# Allegro board buddy_lay_rev1.brd (continued)
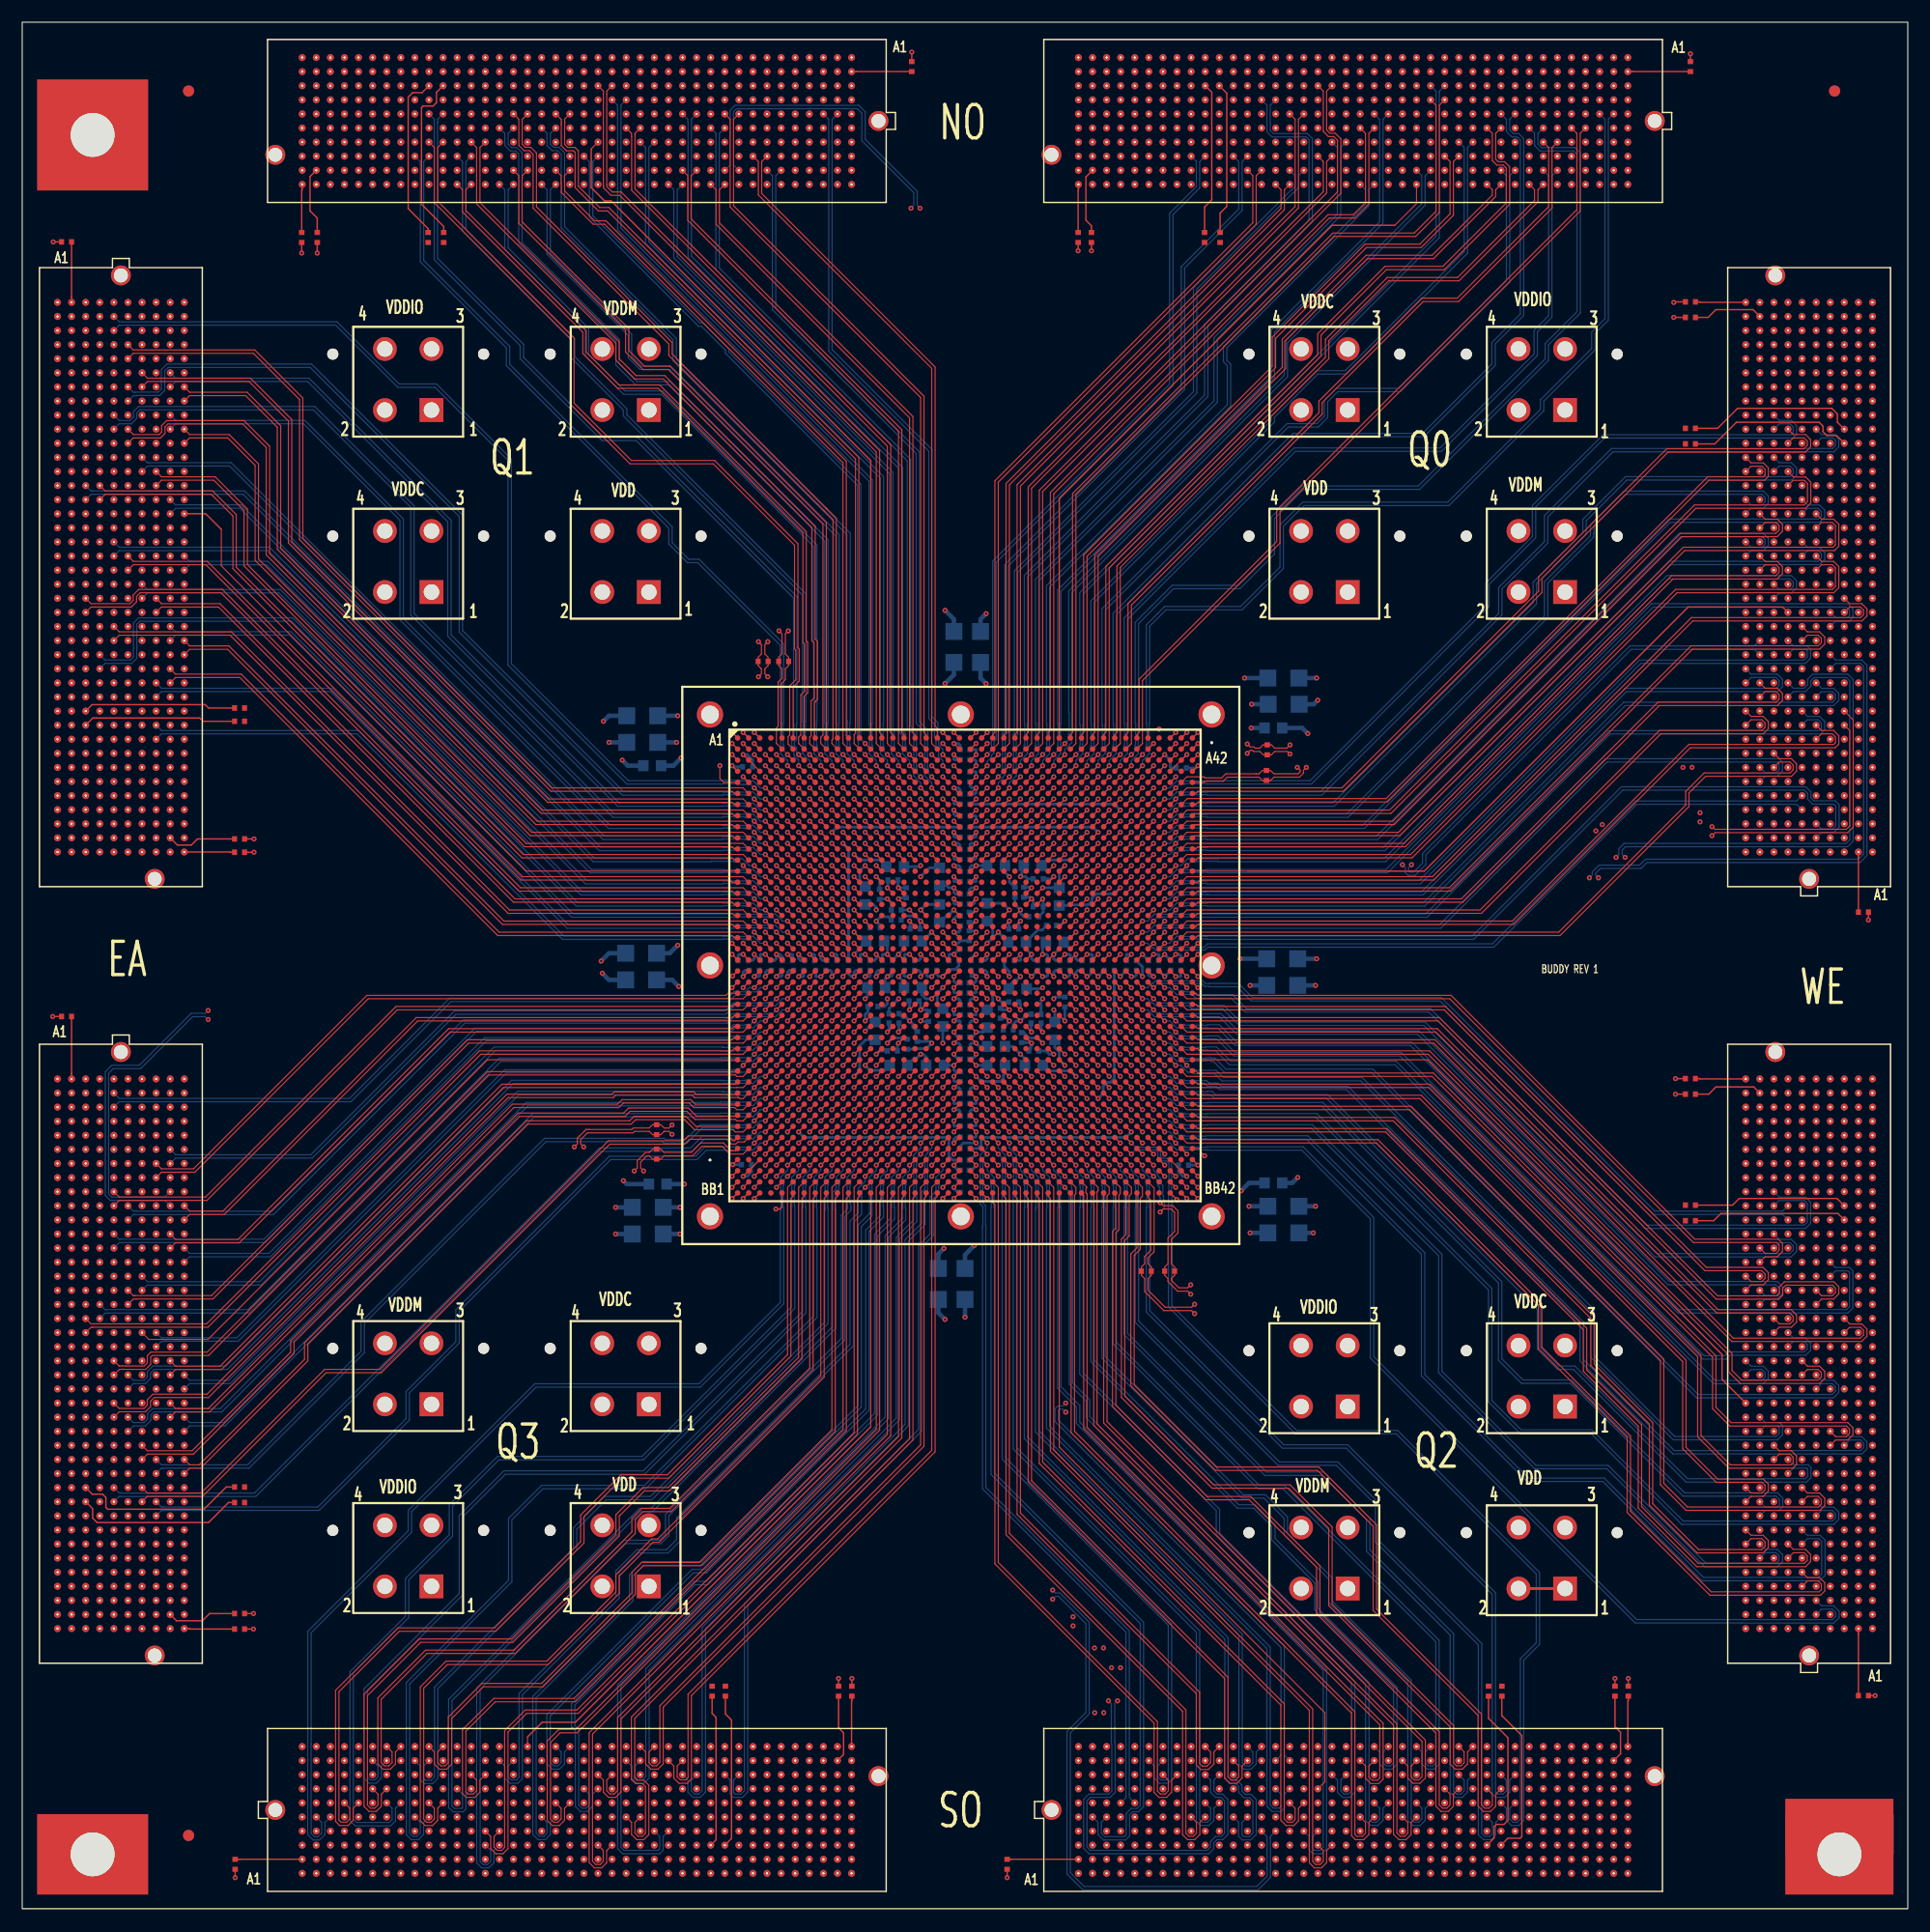
[diagram p0: board, top side]
## Routing (per net, layer and track width the routed paths; a pad name or vN(x,y) marks a point on that pad's centre or on a via; arc(x,y) is an arc through that point) (continued)
; J8.B31 3.98,106.66 ; 14.62,134.12 J8.K9 ; J8.K9 14.62,135.07 ; J8.K9 14.14,134.6 ; J8.K9 15.09,134.6 ; 12.87,140.95 13.35,140.95 ; 13.35,140.95 13.35,141.42 ; 13.35,140.95 13.82,140.95 ; 13.35,140.95 13.35,140.47 ; 115.55,10.33 J5.G17 ; J5.G17 115.55,11.28 ; J5.G17 115.07,10.8 ; J5.G17 116.02,10.8 ; J4.G20 159.19,49.85 ; J4.G20 158.72,49.37 ; J4.G20 159.19,48.9 ; J4.G20 159.67,49.37 ; 164.28,45.09 J4.C17 ; J4.C17 164.75,45.56 ; J4.C17 163.8,45.56 ; J4.C17 164.28,46.04 ; J3.K2 155.86,96.5 ; J3.K2 155.38,96.97 ; J3.K2 155.38,96.02 ; J3.K2 154.91,96.5 ; J3.A17 166.81,116.02 ; J3.A17 166.34,115.55 ; J3.A17 167.29,115.55 ; J3.A17 166.81,115.07 ; 13.35,65.88 13.35,66.36 ; 13.35,65.88 13.35,65.41 ; 13.35,65.88 12.87,65.88 ; 13.35,65.88 13.82,65.88 ; J2.C12 131.26,164.28 ; J2.C12 130.79,164.75 ; J2.C12 130.79,163.8 ; J2.C12 130.31,164.28 ; J1.G40 25.24,159.67 ; J1.G40 25.72,159.19 ; J1.G40 24.77,159.19 ; J1.G40 25.24,158.72 ; 140.47,166.81 J2.A4 ; J2.A4 141.42,166.81 ; J2.A4 140.95,166.34 ; J2.A4 140.95,167.29 ; J8.K24 14.62,116.02 ; J8.K24 14.14,115.55 ; J8.K24 15.09,115.55 ; J8.K24 14.62,115.07 ; J1.D16 56.2,163 ; J1.D16 55.72,162.53 ; J1.D16 55.72,163.48 ; J1.D16 55.25,163 ; 8.27,135.39 8.27,135.87 ; 8.27,135.87 7.79,135.87 ; 8.27,135.87 8.74,135.87 ; 8.27,135.87 8.27,136.34 ; J8.E23 8.74,116.82 ; J8.E23 8.27,116.34 ; J8.E23 7.79,116.82 ; J8.E23 8.27,117.29 ; 126.98,12.87 J5.J26 ; J5.J26 126.98,13.82 ; J5.J26 126.5,13.35 ; J5.J26 127.45,13.35 ; J8.G11 11.28,132.06 ; J8.G11 10.33,132.06 ; J8.G11 10.8,132.53 ; J8.G11 10.8,131.58 ; 157.45,97.77 J3.H3 ; J3.H3 158.4,97.77 ; J3.H3 157.93,97.29 ; J3.H3 157.93,98.24 ; J6.B2 26.51,4.93 ; J6.B2 26.04,4.46 ; J6.B2 26.99,4.46 ; J6.B2 26.51,3.98 ; J4.A29 167.29,60.8 ; J4.A29 166.81,60.33 ; J4.A29 166.81,61.28 ; J4.A29 166.34,60.8 ; J2.B35 101.58,166.02 ; J2.B35 101.58,165.07 ; J2.B35 101.1,165.54 ; J2.B35 102.05,165.54 ; 69.22,14.62 69.69,14.62 ; 69.69,14.62 69.69,14.14 ; 69.69,14.62 69.69,15.09 ; 69.69,14.62 70.17,14.62 ; J8.H27 12.07,112.21 ; J8.H27 11.6,111.74 ; J8.H27 12.07,111.26 ; J8.H27 12.55,111.74 ; J6.A29 61.28,3.19 ; J6.A29 60.33,3.19 ; J6.A29 60.8,3.66 ; J6.A29 60.8,2.71 ; 165.54,56.52 J4.B26 ; J4.B26 166.02,56.99 ; J4.B26 165.07,56.99 ; J4.B26 165.54,57.47 ; 60.8,157.45 J1.H12 ; J1.H12 61.28,157.93 ; J1.H12 60.8,158.4 ; J1.H12 60.33,157.93 ; 10.8,53.98 J7.G17 ; J7.G17 11.28,54.45 ; J7.G17 10.33,54.45 ; J7.G17 10.8,54.93 ; 50.17,5.72 50.64,5.72 ; 50.64,5.72 50.64,5.25 ; 50.64,5.72 51.12,5.72 ; 50.64,5.72 50.64,6.2 ; J2.B2 143.49,166.02 ; J2.B2 143.96,165.54 ; J2.B2 143.01,165.54 ; J2.B2 143.49,165.07 ; J3.J32 156.66,135.07 ; J3.J32 156.66,134.12 ; J3.J32 156.18,134.6 ; J3.J32 157.13,134.6 ; 3.98,62.07 J7.B11 ; J7.B11 4.93,62.07 ; J7.B11 4.46,61.6 ; J7.B11 4.46,62.55 ; 157.93,42.55 J4.H15 ; J4.H15 158.4,43.02 ; J4.H15 157.93,43.5 ; J4.H15 157.45,43.02 ; 134.6,163.8 J2.C9 ; J2.C9 134.12,164.28 ; J2.C9 134.6,164.75 ; J2.C9 135.07,164.28 ; 103.64,8.27 104.12,8.27 ; 104.12,8.27 104.59,8.27 ; 104.12,8.27 104.12,7.79 ; 104.12,8.27 104.12,8.74 ; 163.8,124.44 J3.C24 ; J3.C24 164.75,124.44 ; J3.C24 164.28,124.91 ; J3.C24 164.28,123.96 ; J1.B14 58.74,165.54 ; J1.B14 58.26,165.07 ; J1.B14 58.26,166.02 ; J1.B14 57.79,165.54 ; J7.E23 8.27,47.31 ; J7.E23 8.27,46.36 ; J7.E23 8.74,46.83 ; J7.E23 7.79,46.83 ; 9.06,30.32 9.54,30.32 ; 9.54,30.32 10.01,30.32 ; 9.54,30.32 9.54,29.85 ; 9.54,30.32 9.54,30.8 ; 34.93,166.81 J1.A32 ; J1.A32 35.4,166.34 ; J1.A32 35.4,167.29 ; J1.A32 35.88,166.81 ; J1.C28 40.96,164.28 ; J1.C28 40.01,164.28 ; J1.C28 40.48,164.75 ; J1.C28 40.48,163.8 ; 158.72,119.36 J3.G20 ; J3.G20 159.19,119.83 ; J3.G20 159.19,118.88 ; J3.G20 159.67,119.36 ; 10.8,108.72 J8.G29 ; J8.G29 10.8,109.67 ; J8.G29 11.28,109.2 ; J8.G29 10.33,109.2 ; J6.F15 43.5,9.54 ; J6.F15 42.55,9.54 ; J6.F15 43.02,10.01 ; J6.F15 43.02,9.06 ; J7.B30 4.93,37.94 ; J7.B30 4.46,37.47 ; J7.B30 4.46,38.42 ; J7.B30 3.98,37.94 ; 165.07,133.33 J3.B31 ; J3.B31 165.54,133.8 ; J3.B31 166.02,133.33 ; J3.B31 165.54,132.85 ; 126.98,159.99 J2.F15 ; J2.F15 126.5,160.47 ; J2.F15 127.45,160.47 ; J2.F15 126.98,160.94 ; 154.91,46.83 J4.K18 ; J4.K18 155.38,46.36 ; J4.K18 155.38,47.31 ; J4.K18 155.86,46.83 ; J3.G14 159.67,111.74 ; J3.G14 158.72,111.74 ; J3.G14 159.19,111.26 ; J3.G14 159.19,112.21 ; 8.27,144.76 8.27,145.23 ; 8.27,144.76 8.74,144.76 ; 8.27,144.76 8.27,144.28 ; 8.27,144.76 7.79,144.76 ; 7.79,128.25 J8.E14 ; J8.E14 8.74,128.25 ; J8.E14 8.27,128.72 ; J8.E14 8.27,127.77 ; 33.66,166.81 J1.A33 ; J1.A33 34.61,166.81 ; J1.A33 34.13,167.29 ; J1.A33 34.13,166.34 ; J7.K3 14.62,72.71 ; J7.K3 14.14,72.23 ; J7.K3 14.62,71.76 ; J7.K3 15.09,72.23 ; J1.J17 54.93,156.66 ; J1.J17 53.98,156.66 ; J1.J17 54.45,156.18 ; J1.J17 54.45,157.13 ; 163,109.99 J3.D13 ; J3.D13 163,110.94 ; J3.D13 162.53,110.47 ; J3.D13 163.48,110.47 ; 5.25,140.95 5.72,140.95 ; 5.72,140.95 5.72,141.42 ; 5.72,140.95 6.2,140.95 ; 5.72,140.95 5.72,140.47 ; 50.64,2.71 50.64,3.19 ; 50.64,3.19 50.64,3.66 ; 50.64,3.19 51.12,3.19 ; 50.64,3.19 50.17,3.19 ; J2.G40 95.7,159.19 ; J2.G40 94.75,159.19 ; J2.G40 95.23,159.67 ; J2.G40 95.23,158.72 ; 38.74,3.19 39.21,3.19 ; 39.21,3.19 39.21,3.66 ; 39.21,3.19 39.21,2.71 ; 39.21,3.19 39.69,3.19 ; J8.B10 4.93,133.33 ; J8.B10 4.46,133.8 ; J8.B10 3.98,133.33 ; J8.B10 4.46,132.85 ; 107.93,8.27 107.93,8.74 ; 107.93,8.27 108.4,8.27 ; 107.93,8.27 107.93,7.79 ; 107.93,8.27 107.45,8.27 ; 115.07,8.27 J5.E17 ; J5.E17 116.02,8.27 ; J5.E17 115.55,7.79 ; J5.E17 115.55,8.74 ; 165.54,42.55 J4.B15 ; J4.B15 165.07,43.02 ; J4.B15 165.54,43.5 ; J4.B15 166.02,43.02 ; J1.G26 43.02,159.67 ; J1.G26 42.55,159.19 ; J1.G26 43.02,158.72 ; J1.G26 43.5,159.19 ; 10.8,116.34 J8.G23 ; J8.G23 11.28,116.82 ; J8.G23 10.33,116.82 ; J8.G23 10.8,117.29 ; J3.A29 166.81,131.26 ; J3.A29 166.81,130.31 ; J3.A29 166.34,130.79 ; J3.A29 167.29,130.79 ; J2.A21 119.83,166.81 ; J2.A21 119.36,166.34 ; J2.A21 118.88,166.81 ; J2.A21 119.36,167.29 ; 41.75,10.8 42.23,10.8 ; 41.75,10.8 41.75,10.33 ; 41.75,10.8 41.28,10.8 ; 41.75,10.8 41.75,11.28 ; 134.9,44.01 J22.2 ; J22.2 134.9,46.49 ; J22.2 133.66,45.25 ; J22.2 136.14,45.25 ; J2.H24 115.55,158.4 ; J2.H24 115.55,157.45 ; J2.H24 115.07,157.93 ; J2.H24 116.02,157.93 ; 132.85,165.54 J2.B10 ; J2.B10 133.8,165.54 ; J2.B10 133.33,166.02 ; J2.B10 133.33,165.07 ; J1.C13 59.53,164.75 ; J1.C13 59.06,164.28 ; J1.C13 59.53,163.8 ; J1.C13 60.01,164.28 ; 97.29,164.28 J2.C38 ; J2.C38 97.77,164.75 ; J2.C38 97.77,163.8 ; J2.C38 98.24,164.28 ; 69.69,166.34 J1.A5 ; J1.A5 70.17,166.81 ; J1.A5 69.22,166.81 ; J1.A5 69.69,167.29 ; 161.74,29.05 161.74,29.53 ; 161.74,29.05 161.26,29.05 ; 161.74,29.05 162.21,29.05 ; 161.74,29.05 161.74,28.58 ; 135.87,14.14 135.87,14.62 ; 135.87,14.62 135.39,14.62 ; 135.87,14.62 136.34,14.62 ; 135.87,14.62 135.87,15.09 ; J1.A40 25.24,167.29 ; J1.A40 25.72,166.81 ; J1.A40 24.77,166.81 ; J1.A40 25.24,166.34 ; 124.44,2.71 124.44,3.19 ; 124.44,3.19 124.44,3.66 ; 124.44,3.19 123.96,3.19 ; 124.44,3.19 124.91,3.19 ; 5.25,134.6 5.72,134.6 ; 5.72,134.6 6.2,134.6 ; 5.72,134.6 5.72,135.07 ; 5.72,134.6 5.72,134.12 ; 99.04,166.34 J2.A37 ; J2.A37 98.56,166.81 ; J2.A37 99.51,166.81 ; J2.A37 99.04,167.29 ; 46.83,11.6 J6.H18 ; J6.H18 47.31,12.07 ; J6.H18 46.36,12.07 ; J6.H18 46.83,12.55 ; 107.45,13.35 107.93,13.35 ; 107.93,13.35 107.93,13.82 ; 107.93,13.35 108.4,13.35 ; 107.93,13.35 107.93,12.87 ; 10.8,74.77 10.8,75.25 ; 10.8,74.77 10.8,74.3 ; 10.8,74.77 10.33,74.77 ; 10.8,74.77 11.28,74.77 ; 51.44,165.54 J1.B19 ; J1.B19 51.91,166.02 ; J1.B19 51.91,165.07 ; J1.B19 52.39,165.54 ; 113.8,5.72 114.28,5.72 ; 114.28,5.72 114.75,5.72 ; 114.28,5.72 114.28,6.2 ; 114.28,5.72 114.28,5.25 ; 135.87,9.54 136.34,9.54 ; 135.87,9.54 135.87,9.06 ; 135.87,9.54 135.87,10.01 ; 135.87,9.54 135.39,9.54 ; J4.C16 164.28,44.77 ; J4.C16 163.8,44.29 ; J4.C16 164.28,43.82 ; J4.C16 164.75,44.29 ; 53.98,164.28 J1.C17 ; J1.C17 54.45,164.75 ; J1.C17 54.45,163.8 ; J1.C17 54.93,164.28 ; 49.37,159.99 J1.F21 ; J1.F21 49.37,160.94 ; J1.F21 49.85,160.47 ; J1.F21 48.9,160.47 ; 163.8,49.37 J4.C20 ; J4.C20 164.28,48.9 ; J4.C20 164.28,49.85 ; J4.C20 164.75,49.37 ; 73.5,3.98 73.5,4.46 ; 73.5,4.46 73.03,4.46 ; 73.5,4.46 73.5,4.93 ; 73.5,4.46 73.98,4.46 ; 161.74,123.17 161.74,123.64 ; 161.74,123.17 161.74,122.69 ; 161.74,123.17 162.21,123.17 ; 161.74,123.17 161.26,123.17 ; 50.64,156.18 J1.J20 ; J1.J20 50.17,156.66 ; J1.J20 51.12,156.66 ; J1.J20 50.64,157.13 ; J7.B31 4.46,37.15 ; J7.B31 4.93,36.67 ; J7.B31 3.98,36.67 ; J7.B31 4.46,36.2 ; 135.87,158.72 J2.G8 ; J2.G8 135.87,159.67 ; J2.G8 135.39,159.19 ; J2.G8 136.34,159.19 ; 161.26,100.31 161.74,100.31 ; 161.74,100.31 161.74,99.83 ; 161.74,100.31 162.21,100.31 ; 161.74,100.31 161.74,100.78 ; 99.04,2.71 99.04,3.19 ; 99.04,3.19 98.56,3.19 ; 99.04,3.19 99.04,3.66 ; 99.04,3.19 99.51,3.19 ; 160.47,108.72 J3.F12 ; J3.F12 160.94,109.2 ; J3.F12 160.47,109.67 ; J3.F12 159.99,109.2 ; J3.C4 164.28,99.51 ; J3.C4 163.8,99.04 ; J3.C4 164.28,98.56 ; J3.C4 164.75,99.04 ; 3.19,70.96 3.66,70.96 ; 3.19,70.96 2.71,70.96 ; 3.19,70.96 3.19,70.49 ; 3.19,70.96 3.19,71.44 ; J5.K6 101.58,15.09 ; J5.K6 101.58,14.14 ; J5.K6 102.05,14.62 ; J5.K6 101.1,14.62 ; J4.J20 156.66,49.85 ; J4.J20 156.18,49.37 ; J4.J20 156.66,48.9 ; J4.J20 157.13,49.37 ; 143.01,9.54 143.49,9.54 ; 143.49,9.54 143.96,9.54 ; 143.49,9.54 143.49,9.06 ; 143.49,9.54 143.49,10.01 ; 115.3,27.61 J23.2 ; J23.2 116.54,28.85 ; J23.2 114.06,28.85 ; J23.2 115.3,30.09 ; 13.35,27.31 J7.J38 ; J7.J38 13.35,28.26 ; J7.J38 13.82,27.78 ; J7.J38 12.87,27.78 ; J1.K15 57.47,155.38 ; J1.K15 56.99,155.86 ; J1.K15 56.99,154.91 ; J1.K15 56.52,155.38 ; 101.58,156.18 J2.J35 ; J2.J35 101.1,156.66 ; J2.J35 101.58,157.13 ; J2.J35 102.05,156.66 ; 131.58,9.54 132.06,9.54 ; 132.06,9.54 132.06,10.01 ; 132.06,9.54 132.53,9.54 ; 132.06,9.54 132.06,9.06 ; 25.24,3.19 25.72,3.19 ; 25.24,3.19 24.77,3.19 ; 25.24,3.19 25.24,3.66 ; 25.24,3.19 25.24,2.71 ; J2.C36 100.78,164.28 ; J2.C36 99.83,164.28 ; J2.C36 100.31,164.75 ; J2.C36 100.31,163.8 ; 164.28,55.25 J4.C25 ; J4.C25 163.8,55.72 ; J4.C25 164.28,56.2 ; J4.C25 164.75,55.72 ; J2.C8 136.34,164.28 ; J2.C8 135.87,164.75 ; J2.C8 135.39,164.28 ; J2.C8 135.87,163.8 ; 70.49,161.74 70.96,161.74 ; 70.96,161.74 70.96,162.21 ; 70.96,161.74 70.96,161.26 ; 70.96,161.74 71.44,161.74 ; J3.G32 159.67,134.6 ; J3.G32 159.19,135.07 ; J3.G32 159.19,134.12 ; J3.G32 158.72,134.6 ; 159.99,96.5 J3.F2 ; J3.F2 160.47,96.97 ; J3.F2 160.47,96.02 ; J3.F2 160.94,96.5 ; 46.83,14.14 J6.K18 ; J6.K18 46.36,14.62 ; J6.K18 46.83,15.09 ; J6.K18 47.31,14.62 ; 12.87,69.69 13.35,69.69 ; 13.35,69.69 13.35,69.22 ; 13.35,69.69 13.35,70.17 ; 13.35,69.69 13.82,69.69 ; J2.K18 123.17,155.86 ; J2.K18 123.64,155.38 ; J2.K18 122.69,155.38 ; J2.K18 123.17,154.91 ; 104.91,12.07 J5.H9 ; J5.H9 105.39,12.55 ; J5.H9 105.86,12.07 ; J5.H9 105.39,11.6 ; 48.1,3.98 J6.B19 ; J6.B19 48.1,4.93 ; J6.B19 48.58,4.46 ; J6.B19 47.63,4.46 ; J2.K36 100.78,155.38 ; J2.K36 100.31,155.86 ; J2.K36 100.31,154.91 ; J2.K36 99.83,155.38 ; J6.E17 45.56,8.74 ; J6.E17 45.56,7.79 ; J6.E17 45.09,8.27 ; J6.E17 46.04,8.27 ; 2.71,120.63 3.19,120.63 ; 3.19,120.63 3.19,120.15 ; 3.19,120.63 3.66,120.63 ; 3.19,120.63 3.19,121.1 ; 157.45,58.26 J4.H27 ; J4.H27 158.4,58.26 ; J4.H27 157.93,57.79 ; J4.H27 157.93,58.74 ; J3.B18 166.02,116.82 ; J3.B18 165.54,117.29 ; J3.B18 165.07,116.82 ; J3.B18 165.54,116.34 ; 157.45,46.83 J4.H18 ; J4.H18 158.4,46.83 ; J4.H18 157.93,46.36 ; J4.H18 157.93,47.31 ; J5.G23 123.64,10.8 ; J5.G23 123.17,11.28 ; J5.G23 123.17,10.33 ; J5.G23 122.69,10.8 ; J4.K12 155.86,39.21 ; J4.K12 154.91,39.21 ; J4.K12 155.38,39.69 ; J4.K12 155.38,38.74 ; 154.91,139.68 J3.K36 ; J3.K36 155.38,139.2 ; J3.K36 155.86,139.68 ; J3.K36 155.38,140.15 ; J1.D28 40.48,163.48 ; J1.D28 40.48,162.53 ; J1.D28 40.96,163 ; J1.D28 40.01,163 ; 125.71,5.25 125.71,5.72 ; 125.71,5.72 126.18,5.72 ; 125.71,5.72 125.23,5.72 ; 125.71,5.72 125.71,6.2 ; J3.G23 159.67,123.17 ; J3.G23 159.19,123.64 ; J3.G23 159.19,122.69 ; J3.G23 158.72,123.17 ; J18.1 56.5,46.69 ; J18.1 56.5,44.21 ; J18.1 55.26,45.45 ; J18.1 57.74,45.45 ; 24.77,156.66 J1.J40 ; J1.J40 25.72,156.66 ; J1.J40 25.24,157.13 ; J1.J40 25.24,156.18 ; 134.6,2.71 J5.A32 ; J5.A32 135.07,3.19 ; J5.A32 134.12,3.19 ; J5.A32 134.6,3.66 ; J2.J14 128.25,157.13 ; J2.J14 128.25,156.18 ; J2.J14 127.77,156.66 ; J2.J14 128.72,156.66 ; 41.75,157.45 J1.H27 ; J1.H27 42.23,157.93 ; J1.H27 41.75,158.4 ; J1.H27 41.28,157.93 ; 7,141.74 J8.D3 ; J8.D3 7,142.69 ; J8.D3 6.52,142.22 ; J8.D3 7.47,142.22 ; 141.74,8.27 J5.E38 ; J5.E38 142.22,8.74 ; J5.E38 142.69,8.27 ; J5.E38 142.22,7.79 ; 25.24,8.27 25.72,8.27 ; 25.24,8.27 25.24,7.79 ; 25.24,8.27 24.77,8.27 ; 25.24,8.27 25.24,8.74 ; J8.F18 9.54,123.64 ; J8.F18 9.06,123.17 ; J8.F18 10.01,123.17 ; J8.F18 9.54,122.69 ; 13.35,97.29 J8.J38 ; J8.J38 13.82,97.77 ; J8.J38 12.87,97.77 ; J8.J38 13.35,98.24 ; 118.88,8.27 J5.E20 ; J5.E20 119.83,8.27 ; J5.E20 119.36,8.74 ; J5.E20 119.36,7.79 ; 49.37,5.72 49.85,5.72 ; 49.37,5.72 49.37,5.25 ; 49.37,5.72 49.37,6.2 ; 49.37,5.72 48.9,5.72 ; 7,66.68 J7.D7 ; J7.D7 6.52,67.15 ; J7.D7 7.47,67.15 ; J7.D7 7,67.63 ; 119.36,12.87 J5.J20 ; J5.J20 119.36,13.82 ; J5.J20 118.88,13.35 ; J5.J20 119.83,13.35 ; 6.52,26.51 7,26.51 ; 7,26.51 7,26.99 ; 7,26.51 7.47,26.51 ; 7,26.51 7,26.04 ; J3.J38 157.13,142.22 ; J3.J38 156.18,142.22 ; J3.J38 156.66,141.74 ; J3.J38 156.66,142.69 ; 124.44,5.25 124.44,5.72 ; 124.44,5.72 124.44,6.2 ; 124.44,5.72 124.91,5.72 ; 124.44,5.72 123.96,5.72 ; J5.F9 105.39,10.01 ; J5.F9 105.39,9.06 ; J5.F9 105.86,9.54 ; J5.F9 104.91,9.54 ; 37.94,8.27 37.94,8.74 ; 37.94,8.27 37.47,8.27 ; 37.94,8.27 37.94,7.79 ; 37.94,8.27 38.42,8.27 ; 57.79,14.62 58.26,14.62 ; 58.26,14.62 58.74,14.62 ; 58.26,14.62 58.26,14.14 ; 58.26,14.62 58.26,15.09 ; 73.03,9.54 73.5,9.54 ; 73.5,9.54 73.5,10.01 ; 73.5,9.54 73.98,9.54 ; 73.5,9.54 73.5,9.06 ; 117.61,163 J2.D22 ; J2.D22 118.09,163.48 ; J2.D22 118.56,163 ; J2.D22 118.09,162.53 ; 3.98,97.77 4.46,97.77 ; 4.46,97.77 4.93,97.77 ; 4.46,97.77 4.46,98.24 ; 4.46,97.77 4.46,97.29 ; 104.91,14.62 J5.K9 ; J5.K9 105.39,14.14 ; J5.K9 105.86,14.62 ; J5.K9 105.39,15.09 ; J8.B26 4.93,113.01 ; J8.B26 3.98,113.01 ; J8.B26 4.46,113.48 ; J8.B26 4.46,112.53 ; J6.H33 66.36,12.07 ; J6.H33 65.88,12.55 ; J6.H33 65.41,12.07 ; J6.H33 65.88,11.6 ; J4.B6 165.54,32.07 ; J4.B6 165.07,31.59 ; J4.B6 166.02,31.59 ; J4.B6 165.54,31.12 ; J6.C29 60.8,6.2 ; J6.C29 61.28,5.72 ; J6.C29 60.8,5.25 ; J6.C29 60.33,5.72 ; J3.D6 163.48,101.58 ; J3.D6 162.53,101.58 ; J3.D6 163,102.05 ; J3.D6 163,101.1 ; J3.B22 165.54,122.37 ; J3.B22 166.02,121.9 ; J3.B22 165.54,121.42 ; J3.B22 165.07,121.9 ; 2.71,130.79 3.19,130.79 ; 3.19,130.79 3.66,130.79 ; 3.19,130.79 3.19,131.26 ; 3.19,130.79 3.19,130.31 ; 135.87,5.25 J5.C33 ; J5.C33 135.39,5.72 ; J5.C33 136.34,5.72 ; J5.C33 135.87,6.2 ; 25.24,5.72 25.24,6.2 ; 25.24,5.72 25.24,5.25 ; 25.24,5.72 25.72,5.72 ; 25.24,5.72 24.77,5.72 ; 138.41,157.45 J2.H6 ; J2.H6 138.41,158.4 ; J2.H6 137.93,157.93 ; J2.H6 138.88,157.93 ; 135.87,166.34 J2.A8 ; J2.A8 135.87,167.29 ; J2.A8 135.39,166.81 ; J2.A8 136.34,166.81 ; 55.25,7 J6.D25 ; J6.D25 55.72,7.47 ; J6.D25 56.2,7 ; J6.D25 55.72,6.52 ; J8.C38 6.2,97.77 ; J8.C38 5.25,97.77 ; J8.C38 5.72,98.24 ; J8.C38 5.72,97.29 ; 155.38,61.6 J4.K30 ; J4.K30 154.91,62.07 ; J4.K30 155.86,62.07 ; J4.K30 155.38,62.55 ; J7.H2 12.55,73.5 ; J7.H2 12.07,73.03 ; J7.H2 12.07,73.98 ; J7.H2 11.6,73.5 ; 4.46,27.31 4.46,27.78 ; 4.46,27.78 3.98,27.78 ; 4.46,27.78 4.93,27.78 ; 4.46,27.78 4.46,28.26 ; 111.74,13.35 111.74,13.82 ; 111.74,13.35 111.74,12.87 ; 111.74,13.35 112.21,13.35 ; 111.74,13.35 111.26,13.35 ; 104.91,161.74 105.39,161.74 ; 105.39,161.74 105.39,161.26 ; 105.39,161.74 105.39,162.21 ; 105.39,161.74 105.86,161.74 ; 3.19,69.69 3.66,69.69 ; 3.19,69.69 2.71,69.69 ; 3.19,69.69 3.19,70.17 ; 3.19,69.69 3.19,69.22 ; 66.68,163 J1.D7 ; J1.D7 67.63,163 ; J1.D7 67.15,163.48 ; J1.D7 67.15,162.53 ; 41.28,165.54 J1.B27 ; J1.B27 42.23,165.54 ; J1.B27 41.75,165.07 ; J1.B27 41.75,166.02 ; 10.8,65.88 11.28,65.88 ; 10.8,65.88 10.33,65.88 ; 10.8,65.88 10.8,66.36 ; 10.8,65.88 10.8,65.41 ; 166.81,34.93 J4.A9 ; J4.A9 167.29,35.4 ; J4.A9 166.81,35.88 ; J4.A9 166.34,35.4 ; 128.25,158.72 J2.G14 ; J2.G14 128.25,159.67 ; J2.G14 127.77,159.19 ; J2.G14 128.72,159.19 ; 50.64,161.74 51.12,161.74 ; 50.64,161.74 50.64,162.21 ; 50.64,161.74 50.64,161.26 ; 50.64,161.74 50.17,161.74 ; 26.51,14.14 J6.K2 ; J6.K2 26.51,15.09 ; J6.K2 26.04,14.62 ; J6.K2 26.99,14.62 ; 165.07,53.18 J4.B23 ; J4.B23 165.54,53.66 ; J4.B23 165.54,52.71 ; J4.B23 166.02,53.18 ; J2.C29 109.67,164.28 ; J2.C29 109.2,164.75 ; J2.C29 108.72,164.28 ; J2.C29 109.2,163.8 ; 5.72,24.77 J7.C40 ; J7.C40 6.2,25.24 ; J7.C40 5.25,25.24 ; J7.C40 5.72,25.72 ; J8.B23 4.46,117.29 ; J8.B23 4.46,116.34 ; J8.B23 3.98,116.82 ; J8.B23 4.93,116.82 ; 105.39,158.72 J2.G32 ; J2.G32 105.86,159.19 ; J2.G32 105.39,159.67 ; J2.G32 104.91,159.19 ; 7,43.82 J7.D25 ; J7.D25 7,44.77 ; J7.D25 6.52,44.29 ; J7.D25 7.47,44.29 ; 115.55,166.34 J2.A24 ; J2.A24 115.07,166.81 ; J2.A24 116.02,166.81 ; J2.A24 115.55,167.29 ; 161.74,33.66 161.74,34.13 ; 161.74,34.13 161.26,34.13 ; 161.74,34.13 161.74,34.61 ; 161.74,34.13 162.21,34.13 ; J1.J8 66.36,156.66 ; J1.J8 65.41,156.66 ; J1.J8 65.88,157.13 ; J1.J8 65.88,156.18 ; J3.D2 163.48,96.5 ; J3.D2 163,96.97 ; J3.D2 163,96.02 ; J3.D2 162.53,96.5 ; 2.71,99.04 J8.A37 ; J8.A37 3.19,99.51 ; J8.A37 3.66,99.04 ; J8.A37 3.19,98.56 ; 154.91,50.64 J4.K21 ; J4.K21 155.86,50.64 ; J4.K21 155.38,50.17 ; J4.K21 155.38,51.12 ; 6.52,68.42 J7.D6 ; J7.D6 7.47,68.42 ; J7.D6 7,67.95 ; J7.D6 7,68.9 ; J5.E26 127.45,8.27 ; J5.E26 126.5,8.27 ; J5.E26 126.98,8.74 ; J5.E26 126.98,7.79 ; 137.93,165.54 J2.B6 ; J2.B6 138.41,166.02 ; J2.B6 138.41,165.07 ; J2.B6 138.88,165.54 ; 124.44,156.18 J2.J17 ; J2.J17 124.44,157.13 ; J2.J17 123.96,156.66 ; J2.J17 124.91,156.66 ; 161.26,115.55 161.74,115.55 ; 161.74,115.55 161.74,116.02 ; 161.74,115.55 162.21,115.55 ; 161.74,115.55 161.74,115.07 ; J21.1 120.74,45.25 ; J21.1 118.26,45.25 ; J21.1 119.5,44.01 ; J21.1 119.5,46.49 ; 164.28,120.15 J3.C21 ; J3.C21 164.75,120.63 ; J3.C21 164.28,121.1 ; J3.C21 163.8,120.63 ; 61.6,4.46 62.07,4.46 ; 62.07,4.46 62.55,4.46 ; 62.07,4.46 62.07,3.98 ; 62.07,4.46 62.07,4.93 ; J3.D3 163.48,97.77 ; J3.D3 162.53,97.77 ; J3.D3 163,98.24 ; J3.D3 163,97.29 ; J4.B38 166.02,72.23 ; J4.B38 165.07,72.23 ; J4.B38 165.54,71.76 ; J4.B38 165.54,72.71 ; 69.69,5.25 J6.C36 ; J6.C36 69.22,5.72 ; J6.C36 69.69,6.2 ; J6.C36 70.17,5.72 ; J5.K18 116.82,15.09 ; J5.K18 117.29,14.62 ; J5.K18 116.82,14.14 ; J5.K18 116.34,14.62 ; J6.H27 58.74,12.07 ; J6.H27 57.79,12.07 ; J6.H27 58.26,11.6 ; J6.H27 58.26,12.55 ; 58.26,4.46 58.74,4.46 ; 58.26,4.46 57.79,4.46 ; 58.26,4.46 58.26,3.98 ; 58.26,4.46 58.26,4.93 ; 5.72,115.55 5.72,116.02 ; 5.72,115.55 6.2,115.55 ; 5.72,115.55 5.25,115.55 ; 5.72,115.55 5.72,115.07 ; 157.93,104.91 J3.H9 ; J3.H9 158.4,105.39 ; J3.H9 157.93,105.86 ; J3.H9 157.45,105.39 ; 105.39,163.8 J2.C32 ; J2.C32 105.39,164.75 ; J2.C32 105.86,164.28 ; J2.C32 104.91,164.28 ; J4.F21 160.94,50.64 ; J4.F21 160.47,51.12 ; J4.F21 160.47,50.17 ; J4.F21 159.99,50.64 ; 50.17,14.62 J6.K21 ; J6.K21 50.64,15.09 ; J6.K21 50.64,14.14 ; J6.K21 51.12,14.62 ; 37.94,13.35 38.42,13.35 ; 37.94,13.35 37.94,12.87 ; 37.94,13.35 37.47,13.35 ; 37.94,13.35 37.94,13.82 ; 115.55,5.72 116.02,5.72 ; 115.55,5.72 115.55,5.25 ; 115.55,5.72 115.07,5.72 ; 115.55,5.72 115.55,6.2 ; J1.A1 74.77,167.29 ; J1.A1 75.25,166.81 ; J1.A1 74.77,166.34 ; J1.A1 74.3,166.81 ; 138.41,154.91 J2.K6 ; J2.K6 138.41,155.86 ; J2.K6 137.93,155.38 ; J2.K6 138.88,155.38 ; 3.19,110.47 3.66,110.47 ; 3.19,110.47 2.71,110.47 ; 3.19,110.47 3.19,110.94 ; 3.19,110.47 3.19,109.99 ; J2.C25 114.75,164.28 ; J2.C25 113.8,164.28 ; J2.C25 114.28,163.8 ; J2.C25 114.28,164.75 ; J3.F36 160.94,139.68 ; J3.F36 159.99,139.68 ; J3.F36 160.47,140.15 ; J3.F36 160.47,139.2 ; J3.B2 165.54,96.97 ; J3.B2 166.02,96.5 ; J3.B2 165.07,96.5 ; J3.B2 165.54,96.02 ; 164.28,34.93 J4.C9 ; J4.C9 164.75,35.4 ; J4.C9 164.28,35.88 ; J4.C9 163.8,35.4 ; 7,55.25 J7.D16 ; J7.D16 7.47,55.72 ; J7.D16 7,56.2 ; J7.D16 6.52,55.72 ; 97.77,158.72 J2.G38 ; J2.G38 98.24,159.19 ; J2.G38 97.29,159.19 ; 